# KiCad board oibus-mini-CCC_PANEL.kicad_pcb (continued)
## Nets (continued)
NINA_DTR: U3.16 U3#2.16 U3#3.16 U3#4.16 U3#5.16 U3#6.16 U3#7.16 U3#8.16 U3#9.16 U3#10.16 U3#11.16 U3#12.16 U3#13.16 U3#14.16 U3#15.16 U3#16.16 U3#17.16 U3#18.16 U3#19.16 U3#20.16 U3#21.16 U3#22.16 U3#23.16 U3#24.16 U3#25.16 U3#26.16 U3#27.16 U3#28.16 U3#29.16 U3#30.16 U3#31.16 U3#32.16 U8.14 U8#2.14 U8#3.14 U8#4.14 U8#5.14 U8#6.14 U8#7.14 U8#8.14 U8#9.14 U8#10.14 U8#11.14 U8#12.14 U8#13.14 U8#14.14 U8#15.14 U8#16.14 U8#17.14 U8#18.14 U8#19.14 U8#20.14 U8#21.14 U8#22.14 U8#23.14 U8#24.14 U8#25.14 U8#26.14 U8#27.14 U8#28.14 U8#29.14 U8#30.14 U8#31.14 U8#32.14
NINA_RTS: U3.20 U3#2.20 U3#3.20 U3#4.20 U3#5.20 U3#6.20 U3#7.20 U3#8.20 U3#9.20 U3#10.20 U3#11.20 U3#12.20 U3#13.20 U3#14.20 U3#15.20 U3#16.20 U3#17.20 U3#18.20 U3#19.20 U3#20.20 U3#21.20 U3#22.20 U3#23.20 U3#24.20 U3#25.20 U3#26.20 U3#27.20 U3#28.20 U3#29.20 U3#30.20 U3#31.20 U3#32.20 U8.10 U8#2.10 U8#3.10 U8#4.10 U8#5.10 U8#6.10 U8#7.10 U8#8.10 U8#9.10 U8#10.10 U8#11.10 U8#12.10 U8#13.10 U8#14.10 U8#15.10 U8#16.10 U8#17.10 U8#18.10 U8#19.10 U8#20.10 U8#21.10 U8#22.10 U8#23.10 U8#24.10 U8#25.10 U8#26.10 U8#27.10 U8#28.10 U8#29.10 U8#30.10 U8#31.10 U8#32.10
NINA_RX: U3.23 U3#2.23 U3#3.23 U3#4.23 U3#5.23 U3#6.23 U3#7.23 U3#8.23 U3#9.23 U3#10.23 U3#11.23 U3#12.23 U3#13.23 U3#14.23 U3#15.23 U3#16.23 U3#17.23 U3#18.23 U3#19.23 U3#20.23 U3#21.23 U3#22.23 U3#23.23 U3#24.23 U3#25.23 U3#26.23 U3#27.23 U3#28.23 U3#29.23 U3#30.23 U3#31.23 U3#32.23 U8.12 U8#2.12 U8#3.12 U8#4.12 U8#5.12 U8#6.12 U8#7.12 U8#8.12 U8#9.12 U8#10.12 U8#11.12 U8#12.12 U8#13.12 U8#14.12 U8#15.12 U8#16.12 U8#17.12 U8#18.12 U8#19.12 U8#20.12 U8#21.12 U8#22.12 U8#23.12 U8#24.12 U8#25.12 U8#26.12 U8#27.12 U8#28.12 U8#29.12 U8#30.12 U8#31.12 U8#32.12
NINA_TX: U3.22 U3#2.22 U3#3.22 U3#4.22 U3#5.22 U3#6.22 U3#7.22 U3#8.22 U3#9.22 U3#10.22 U3#11.22 U3#12.22 U3#13.22 U3#14.22 U3#15.22 U3#16.22 U3#17.22 U3#18.22 U3#19.22 U3#20.22 U3#21.22 U3#22.22 U3#23.22 U3#24.22 U3#25.22 U3#26.22 U3#27.22 U3#28.22 U3#29.22 U3#30.22 U3#31.22 U3#32.22 U8.13 U8#2.13 U8#3.13 U8#4.13 U8#5.13 U8#6.13 U8#7.13 U8#8.13 U8#9.13 U8#10.13 U8#11.13 U8#12.13 U8#13.13 U8#14.13 U8#15.13 U8#16.13 U8#17.13 U8#18.13 U8#19.13 U8#20.13 U8#21.13 U8#22.13 U8#23.13 U8#24.13 U8#25.13 U8#26.13 U8#27.13 U8#28.13 U8#29.13 U8#30.13 U8#31.13 U8#32.13
SPS_RX: J1.1 J1#2.1 J1#3.1 J1#4.1 J1#5.1 J1#6.1 J1#7.1 J1#8.1 J1#9.1 J1#10.1 J1#11.1 J1#12.1 J1#13.1 J1#14.1 J1#15.1 J1#16.1 J1#17.1 J1#18.1 J1#19.1 J1#20.1 J1#21.1 J1#22.1 J1#23.1 J1#24.1 J1#25.1 J1#26.1 J1#27.1 J1#28.1 J1#29.1 J1#30.1 J1#31.1 J1#32.1 R24.2 R24#2.2 R24#3.2 R24#4.2 R24#5.2 R24#6.2 R24#7.2 R24#8.2 R24#9.2 R24#10.2 R24#11.2 R24#12.2 R24#13.2 R24#14.2 R24#15.2 R24#16.2 R24#17.2 R24#18.2 R24#19.2 R24#20.2 R24#21.2 R24#22.2 R24#23.2 R24#24.2 R24#25.2 R24#26.2 R24#27.2 R24#28.2 R24#29.2 R24#30.2 R24#31.2 R24#32.2 U8.30 U8#2.30 U8#3.30 U8#4.30 U8#5.30 U8#6.30 U8#7.30 U8#8.30 U8#9.30 U8#10.30 U8#11.30 U8#12.30 U8#13.30 U8#14.30 U8#15.30 U8#16.30 U8#17.30 U8#18.30 U8#19.30 U8#20.30 U8#21.30 U8#22.30 U8#23.30 U8#24.30 U8#25.30 U8#26.30 U8#27.30 U8#28.30 U8#29.30 U8#30.30 U8#31.30 U8#32.30
SPS_TX: R22.2 R22#2.2 R22#3.2 R22#4.2 R22#5.2 R22#6.2 R22#7.2 R22#8.2 R22#9.2 R22#10.2 R22#11.2 R22#12.2 R22#13.2 R22#14.2 R22#15.2 R22#16.2 R22#17.2 R22#18.2 R22#19.2 R22#20.2 R22#21.2 R22#22.2 R22#23.2 R22#24.2 R22#25.2 R22#26.2 R22#27.2 R22#28.2 R22#29.2 R22#30.2 R22#31.2 R22#32.2 R23.1 R23#2.1 R23#3.1 R23#4.1 R23#5.1 R23#6.1 R23#7.1 R23#8.1 R23#9.1 R23#10.1 R23#11.1 R23#12.1 R23#13.1 R23#14.1 R23#15.1 R23#16.1 R23#17.1 R23#18.1 R23#19.1 R23#20.1 R23#21.1 R23#22.1 R23#23.1 R23#24.1 R23#25.1 R23#26.1 R23#27.1 R23#28.1 R23#29.1 R23#30.1 R23#31.1 R23#32.1 U8.31 U8#2.31 U8#3.31 U8#4.31 U8#5.31 U8#6.31 U8#7.31 U8#8.31 U8#9.31 U8#10.31 U8#11.31 U8#12.31 U8#13.31 U8#14.31 U8#15.31 U8#16.31 U8#17.31 U8#18.31 U8#19.31 U8#20.31 U8#21.31 U8#22.31 U8#23.31 U8#24.31 U8#25.31 U8#26.31 U8#27.31 U8#28.31 U8#29.31 U8#30.31 U8#31.31 U8#32.31
Net-(BT1-Pad2): BT1.2 BT1#2.2 BT1#3.2 BT1#4.2 BT1#5.2 BT1#6.2 BT1#7.2 BT1#8.2 BT1#9.2 BT1#10.2 BT1#11.2 BT1#12.2 BT1#13.2 BT1#14.2 BT1#15.2 BT1#16.2 BT1#17.2 BT1#18.2 BT1#19.2 BT1#20.2 BT1#21.2 BT1#22.2 BT1#23.2 BT1#24.2 BT1#25.2 BT1#26.2 BT1#27.2 BT1#28.2 BT1#29.2 BT1#30.2 BT1#31.2 BT1#32.2 C24.1 C24#2.1 C24#3.1 C24#4.1 C24#5.1 C24#6.1 C24#7.1 C24#8.1 C24#9.1 C24#10.1 C24#11.1 C24#12.1 C24#13.1 C24#14.1 C24#15.1 C24#16.1 C24#17.1 C24#18.1 C24#19.1 C24#20.1 C24#21.1 C24#22.1 C24#23.1 C24#24.1 C24#25.1 C24#26.1 C24#27.1 C24#28.1 C24#29.1 C24#30.1 C24#31.1 C24#32.1 Q2.2 Q2#2.2 Q2#3.2 Q2#4.2 Q2#5.2 Q2#6.2 Q2#7.2 Q2#8.2 Q2#9.2 Q2#10.2 Q2#11.2 Q2#12.2 Q2#13.2 Q2#14.2 Q2#15.2 Q2#16.2 Q2#17.2 Q2#18.2 Q2#19.2 Q2#20.2 Q2#21.2 Q2#22.2 Q2#23.2 Q2#24.2 Q2#25.2 Q2#26.2 Q2#27.2 Q2#28.2 Q2#29.2 Q2#30.2 Q2#31.2 Q2#32.2 U9.6 U9#2.6 U9#3.6 U9#4.6 U9#5.6 U9#6.6 U9#7.6 U9#8.6 U9#9.6 U9#10.6 U9#11.6 U9#12.6 U9#13.6 U9#14.6 U9#15.6 U9#16.6 U9#17.6 U9#18.6 U9#19.6 U9#20.6 U9#21.6 U9#22.6 U9#23.6 U9#24.6 U9#25.6 U9#26.6 U9#27.6 U9#28.6 U9#29.6 U9#30.6 U9#31.6 U9#32.6
Net-(C6-Pad2): C6.2 C6#2.2 C6#3.2 C6#4.2 C6#5.2 C6#6.2 C6#7.2 C6#8.2 C6#9.2 C6#10.2 C6#11.2 C6#12.2 C6#13.2 C6#14.2 C6#15.2 C6#16.2 C6#17.2 C6#18.2 C6#19.2 C6#20.2 C6#21.2 C6#22.2 C6#23.2 C6#24.2 C6#25.2 C6#26.2 C6#27.2 C6#28.2 C6#29.2 C6#30.2 C6#31.2 C6#32.2 R19.2 R19#2.2 R19#3.2 R19#4.2 R19#5.2 R19#6.2 R19#7.2 R19#8.2 R19#9.2 R19#10.2 R19#11.2 R19#12.2 R19#13.2 R19#14.2 R19#15.2 R19#16.2 R19#17.2 R19#18.2 R19#19.2 R19#20.2 R19#21.2 R19#22.2 R19#23.2 R19#24.2 R19#25.2 R19#26.2 R19#27.2 R19#28.2 R19#29.2 R19#30.2 R19#31.2 R19#32.2 R20.1 R20#2.1 R20#3.1 R20#4.1 R20#5.1 R20#6.1 R20#7.1 R20#8.1 R20#9.1 R20#10.1 R20#11.1 R20#12.1 R20#13.1 R20#14.1 R20#15.1 R20#16.1 R20#17.1 R20#18.1 R20#19.1 R20#20.1 R20#21.1 R20#22.1 R20#23.1 R20#24.1 R20#25.1 R20#26.1 R20#27.1 R20#28.1 R20#29.1 R20#30.1 R20#31.1 R20#32.1
Net-(C16-Pad1): C16.1 C16#2.1 C16#3.1 C16#4.1 C16#5.1 C16#6.1 C16#7.1 C16#8.1 C16#9.1 C16#10.1 C16#11.1 C16#12.1 C16#13.1 C16#14.1 C16#15.1 C16#16.1 C16#17.1 C16#18.1 C16#19.1 C16#20.1 C16#21.1 C16#22.1 C16#23.1 C16#24.1 C16#25.1 C16#26.1 C16#27.1 C16#28.1 C16#29.1 C16#30.1 C16#31.1 C16#32.1 U8.5 U8#2.5 U8#3.5 U8#4.5 U8#5.5 U8#6.5 U8#7.5 U8#8.5 U8#9.5 U8#10.5 U8#11.5 U8#12.5 U8#13.5 U8#14.5 U8#15.5 U8#16.5 U8#17.5 U8#18.5 U8#19.5 U8#20.5 U8#21.5 U8#22.5 U8#23.5 U8#24.5 U8#25.5 U8#26.5 U8#27.5 U8#28.5 U8#29.5 U8#30.5 U8#31.5 U8#32.5 Y1.1 Y1#2.1 Y1#3.1 Y1#4.1 Y1#5.1 Y1#6.1 Y1#7.1 Y1#8.1 Y1#9.1 Y1#10.1 Y1#11.1 Y1#12.1 Y1#13.1 Y1#14.1 Y1#15.1 Y1#16.1 Y1#17.1 Y1#18.1 Y1#19.1 Y1#20.1 Y1#21.1 Y1#22.1 Y1#23.1 Y1#24.1 Y1#25.1 Y1#26.1 Y1#27.1 Y1#28.1 Y1#29.1 Y1#30.1 Y1#31.1 Y1#32.1
Net-(C17-Pad2): C17.2 C17#2.2 C17#3.2 C17#4.2 C17#5.2 C17#6.2 C17#7.2 C17#8.2 C17#9.2 C17#10.2 C17#11.2 C17#12.2 C17#13.2 C17#14.2 C17#15.2 C17#16.2 C17#17.2 C17#18.2 C17#19.2 C17#20.2 C17#21.2 C17#22.2 C17#23.2 C17#24.2 C17#25.2 C17#26.2 C17#27.2 C17#28.2 C17#29.2 C17#30.2 C17#31.2 C17#32.2 U8.6 U8#2.6 U8#3.6 U8#4.6 U8#5.6 U8#6.6 U8#7.6 U8#8.6 U8#9.6 U8#10.6 U8#11.6 U8#12.6 U8#13.6 U8#14.6 U8#15.6 U8#16.6 U8#17.6 U8#18.6 U8#19.6 U8#20.6 U8#21.6 U8#22.6 U8#23.6 U8#24.6 U8#25.6 U8#26.6 U8#27.6 U8#28.6 U8#29.6 U8#30.6 U8#31.6 U8#32.6 Y1.3 Y1#2.3 Y1#3.3 Y1#4.3 Y1#5.3 Y1#6.3 Y1#7.3 Y1#8.3 Y1#9.3 Y1#10.3 Y1#11.3 Y1#12.3 Y1#13.3 Y1#14.3 Y1#15.3 Y1#16.3 Y1#17.3 Y1#18.3 Y1#19.3 Y1#20.3 Y1#21.3 Y1#22.3 Y1#23.3 Y1#24.3 Y1#25.3 Y1#26.3 Y1#27.3 Y1#28.3 Y1#29.3 Y1#30.3 Y1#31.3 Y1#32.3
Net-(C22-Pad2): C22.2 C22#2.2 C22#3.2 C22#4.2 C22#5.2 C22#6.2 C22#7.2 C22#8.2 C22#9.2 C22#10.2 C22#11.2 C22#12.2 C22#13.2 C22#14.2 C22#15.2 C22#16.2 C22#17.2 C22#18.2 C22#19.2 C22#20.2 C22#21.2 C22#22.2 C22#23.2 C22#24.2 C22#25.2 C22#26.2 C22#27.2 C22#28.2 C22#29.2 C22#30.2 C22#31.2 C22#32.2 C23.2 C23#2.2 C23#3.2 C23#4.2 C23#5.2 C23#6.2 C23#7.2 C23#8.2 C23#9.2 C23#10.2 C23#11.2 C23#12.2 C23#13.2 C23#14.2 C23#15.2 C23#16.2 C23#17.2 C23#18.2 C23#19.2 C23#20.2 C23#21.2 C23#22.2 C23#23.2 C23#24.2 C23#25.2 C23#26.2 C23#27.2 C23#28.2 C23#29.2 C23#30.2 C23#31.2 C23#32.2 L2.2 L2#2.2 L2#3.2 L2#4.2 L2#5.2 L2#6.2 L2#7.2 L2#8.2 L2#9.2 L2#10.2 L2#11.2 L2#12.2 L2#13.2 L2#14.2 L2#15.2 L2#16.2 L2#17.2 L2#18.2 L2#19.2 L2#20.2 L2#21.2 L2#22.2 L2#23.2 L2#24.2 L2#25.2 L2#26.2 L2#27.2 L2#28.2 L2#29.2 L2#30.2 L2#31.2 L2#32.2 U8.9 U8#2.9 U8#3.9 U8#4.9 U8#5.9 U8#6.9 U8#7.9 U8#8.9 U8#9.9 U8#10.9 U8#11.9 U8#12.9 U8#13.9 U8#14.9 U8#15.9 U8#16.9 U8#17.9 U8#18.9 U8#19.9 U8#20.9 U8#21.9 U8#22.9 U8#23.9 U8#24.9 U8#25.9 U8#26.9 U8#27.9 U8#28.9 U8#29.9 U8#30.9 U8#31.9 U8#32.9
Net-(C25-Pad1): C25.1 C25#2.1 C25#3.1 C25#4.1 C25#5.1 C25#6.1 C25#7.1 C25#8.1 C25#9.1 C25#10.1 C25#11.1 C25#12.1 C25#13.1 C25#14.1 C25#15.1 C25#16.1 C25#17.1 C25#18.1 C25#19.1 C25#20.1 C25#21.1 C25#22.1 C25#23.1 C25#24.1 C25#25.1 C25#26.1 C25#27.1 C25#28.1 C25#29.1 C25#30.1 C25#31.1 C25#32.1 U8.3 U8#2.3 U8#3.3 U8#4.3 U8#5.3 U8#6.3 U8#7.3 U8#8.3 U8#9.3 U8#10.3 U8#11.3 U8#12.3 U8#13.3 U8#14.3 U8#15.3 U8#16.3 U8#17.3 U8#18.3 U8#19.3 U8#20.3 U8#21.3 U8#22.3 U8#23.3 U8#24.3 U8#25.3 U8#26.3 U8#27.3 U8#28.3 U8#29.3 U8#30.3 U8#31.3 U8#32.3 Y2.1 Y2#2.1 Y2#3.1 Y2#4.1 Y2#5.1 Y2#6.1 Y2#7.1 Y2#8.1 Y2#9.1 Y2#10.1 Y2#11.1 Y2#12.1 Y2#13.1 Y2#14.1 Y2#15.1 Y2#16.1 Y2#17.1 Y2#18.1 Y2#19.1 Y2#20.1 Y2#21.1 Y2#22.1 Y2#23.1 Y2#24.1 Y2#25.1 Y2#26.1 Y2#27.1 Y2#28.1 Y2#29.1 Y2#30.1 Y2#31.1 Y2#32.1
Net-(C26-Pad2): C26.2 C26#2.2 C26#3.2 C26#4.2 C26#5.2 C26#6.2 C26#7.2 C26#8.2 C26#9.2 C26#10.2 C26#11.2 C26#12.2 C26#13.2 C26#14.2 C26#15.2 C26#16.2 C26#17.2 C26#18.2 C26#19.2 C26#20.2 C26#21.2 C26#22.2 C26#23.2 C26#24.2 C26#25.2 C26#26.2 C26#27.2 C26#28.2 C26#29.2 C26#30.2 C26#31.2 C26#32.2 U8.4 U8#2.4 U8#3.4 U8#4.4 U8#5.4 U8#6.4 U8#7.4 U8#8.4 U8#9.4 U8#10.4 U8#11.4 U8#12.4 U8#13.4 U8#14.4 U8#15.4 U8#16.4 U8#17.4 U8#18.4 U8#19.4 U8#20.4 U8#21.4 U8#22.4 U8#23.4 U8#24.4 U8#25.4 U8#26.4 U8#27.4 U8#28.4 U8#29.4 U8#30.4 U8#31.4 U8#32.4 Y2.2 Y2#2.2 Y2#3.2 Y2#4.2 Y2#5.2 Y2#6.2 Y2#7.2 Y2#8.2 Y2#9.2 Y2#10.2 Y2#11.2 Y2#12.2 Y2#13.2 Y2#14.2 Y2#15.2 Y2#16.2 Y2#17.2 Y2#18.2 Y2#19.2 Y2#20.2 Y2#21.2 Y2#22.2 Y2#23.2 Y2#24.2 Y2#25.2 Y2#26.2 Y2#27.2 Y2#28.2 Y2#29.2 Y2#30.2 Y2#31.2 Y2#32.2
Net-(D3-Pad1): D3.1 D3#2.1 D3#3.1 D3#4.1 D3#5.1 D3#6.1 D3#7.1 D3#8.1 D3#9.1 D3#10.1 D3#11.1 D3#12.1 D3#13.1 D3#14.1 D3#15.1 D3#16.1 D3#17.1 D3#18.1 D3#19.1 D3#20.1 D3#21.1 D3#22.1 D3#23.1 D3#24.1 D3#25.1 D3#26.1 D3#27.1 D3#28.1 D3#29.1 D3#30.1 D3#31.1 D3#32.1 U4.1 U4#2.1 U4#3.1 U4#4.1 U4#5.1 U4#6.1 U4#7.1 U4#8.1 U4#9.1 U4#10.1 U4#11.1 U4#12.1 U4#13.1 U4#14.1 U4#15.1 U4#16.1 U4#17.1 U4#18.1 U4#19.1 U4#20.1 U4#21.1 U4#22.1 U4#23.1 U4#24.1 U4#25.1 U4#26.1 U4#27.1 U4#28.1 U4#29.1 U4#30.1 U4#31.1 U4#32.1
Net-(D3-Pad2): D3.2 D3#2.2 D3#3.2 D3#4.2 D3#5.2 D3#6.2 D3#7.2 D3#8.2 D3#9.2 D3#10.2 D3#11.2 D3#12.2 D3#13.2 D3#14.2 D3#15.2 D3#16.2 D3#17.2 D3#18.2 D3#19.2 D3#20.2 D3#21.2 D3#22.2 D3#23.2 D3#24.2 D3#25.2 D3#26.2 D3#27.2 D3#28.2 D3#29.2 D3#30.2 D3#31.2 D3#32.2 R3.2 R3#2.2 R3#3.2 R3#4.2 R3#5.2 R3#6.2 R3#7.2 R3#8.2 R3#9.2 R3#10.2 R3#11.2 R3#12.2 R3#13.2 R3#14.2 R3#15.2 R3#16.2 R3#17.2 R3#18.2 R3#19.2 R3#20.2 R3#21.2 R3#22.2 R3#23.2 R3#24.2 R3#25.2 R3#26.2 R3#27.2 R3#28.2 R3#29.2 R3#30.2 R3#31.2 R3#32.2
Net-(D4-Pad1): D4.1 D4#2.1 D4#3.1 D4#4.1 D4#5.1 D4#6.1 D4#7.1 D4#8.1 D4#9.1 D4#10.1 D4#11.1 D4#12.1 D4#13.1 D4#14.1 D4#15.1 D4#16.1 D4#17.1 D4#18.1 D4#19.1 D4#20.1 D4#21.1 D4#22.1 D4#23.1 D4#24.1 D4#25.1 D4#26.1 D4#27.1 D4#28.1 D4#29.1 D4#30.1 D4#31.1 D4#32.1 R8.1 R8#2.1 R8#3.1 R8#4.1 R8#5.1 R8#6.1 R8#7.1 R8#8.1 R8#9.1 R8#10.1 R8#11.1 R8#12.1 R8#13.1 R8#14.1 R8#15.1 R8#16.1 R8#17.1 R8#18.1 R8#19.1 R8#20.1 R8#21.1 R8#22.1 R8#23.1 R8#24.1 R8#25.1 R8#26.1 R8#27.1 R8#28.1 R8#29.1 R8#30.1 R8#31.1 R8#32.1
Net-(D5-Pad2): D5.2 D5#2.2 D5#3.2 D5#4.2 D5#5.2 D5#6.2 D5#7.2 D5#8.2 D5#9.2 D5#10.2 D5#11.2 D5#12.2 D5#13.2 D5#14.2 D5#15.2 D5#16.2 D5#17.2 D5#18.2 D5#19.2 D5#20.2 D5#21.2 D5#22.2 D5#23.2 D5#24.2 D5#25.2 D5#26.2 D5#27.2 D5#28.2 D5#29.2 D5#30.2 D5#31.2 D5#32.2 R9.2 R9#2.2 R9#3.2 R9#4.2 R9#5.2 R9#6.2 R9#7.2 R9#8.2 R9#9.2 R9#10.2 R9#11.2 R9#12.2 R9#13.2 R9#14.2 R9#15.2 R9#16.2 R9#17.2 R9#18.2 R9#19.2 R9#20.2 R9#21.2 R9#22.2 R9#23.2 R9#24.2 R9#25.2 R9#26.2 R9#27.2 R9#28.2 R9#29.2 R9#30.2 R9#31.2 R9#32.2
Net-(D7-Pad1): D7.1 D7#2.1 D7#3.1 D7#4.1 D7#5.1 D7#6.1 D7#7.1 D7#8.1 D7#9.1 D7#10.1 D7#11.1 D7#12.1 D7#13.1 D7#14.1 D7#15.1 D7#16.1 D7#17.1 D7#18.1 D7#19.1 D7#20.1 D7#21.1 D7#22.1 D7#23.1 D7#24.1 D7#25.1 D7#26.1 D7#27.1 D7#28.1 D7#29.1 D7#30.1 D7#31.1 D7#32.1 R17.2 R17#2.2 R17#3.2 R17#4.2 R17#5.2 R17#6.2 R17#7.2 R17#8.2 R17#9.2 R17#10.2 R17#11.2 R17#12.2 R17#13.2 R17#14.2 R17#15.2 R17#16.2 R17#17.2 R17#18.2 R17#19.2 R17#20.2 R17#21.2 R17#22.2 R17#23.2 R17#24.2 R17#25.2 R17#26.2 R17#27.2 R17#28.2 R17#29.2 R17#30.2 R17#31.2 R17#32.2
Net-(D7-Pad2): D7.2 D7#2.2 D7#3.2 D7#4.2 D7#5.2 D7#6.2 D7#7.2 D7#8.2 D7#9.2 D7#10.2 D7#11.2 D7#12.2 D7#13.2 D7#14.2 D7#15.2 D7#16.2 D7#17.2 D7#18.2 D7#19.2 D7#20.2 D7#21.2 D7#22.2 D7#23.2 D7#24.2 D7#25.2 D7#26.2 D7#27.2 D7#28.2 D7#29.2 D7#30.2 D7#31.2 D7#32.2 R16.2 R16#2.2 R16#3.2 R16#4.2 R16#5.2 R16#6.2 R16#7.2 R16#8.2 R16#9.2 R16#10.2 R16#11.2 R16#12.2 R16#13.2 R16#14.2 R16#15.2 R16#16.2 R16#17.2 R16#18.2 R16#19.2 R16#20.2 R16#21.2 R16#22.2 R16#23.2 R16#24.2 R16#25.2 R16#26.2 R16#27.2 R16#28.2 R16#29.2 R16#30.2 R16#31.2 R16#32.2
Net-(D7-Pad3): D7.3 D7#2.3 D7#3.3 D7#4.3 D7#5.3 D7#6.3 D7#7.3 D7#8.3 D7#9.3 D7#10.3 D7#11.3 D7#12.3 D7#13.3 D7#14.3 D7#15.3 D7#16.3 D7#17.3 D7#18.3 D7#19.3 D7#20.3 D7#21.3 D7#22.3 D7#23.3 D7#24.3 D7#25.3 D7#26.3 D7#27.3 D7#28.3 D7#29.3 D7#30.3 D7#31.3 D7#32.3 R15.2 R15#2.2 R15#3.2 R15#4.2 R15#5.2 R15#6.2 R15#7.2 R15#8.2 R15#9.2 R15#10.2 R15#11.2 R15#12.2 R15#13.2 R15#14.2 R15#15.2 R15#16.2 R15#17.2 R15#18.2 R15#19.2 R15#20.2 R15#21.2 R15#22.2 R15#23.2 R15#24.2 R15#25.2 R15#26.2 R15#27.2 R15#28.2 R15#29.2 R15#30.2 R15#31.2 R15#32.2
Net-(FB1-Pad2): FB1.2 FB1#2.2 FB1#3.2 FB1#4.2 FB1#5.2 FB1#6.2 FB1#7.2 FB1#8.2 FB1#9.2 FB1#10.2 FB1#11.2 FB1#12.2 FB1#13.2 FB1#14.2 FB1#15.2 FB1#16.2 FB1#17.2 FB1#18.2 FB1#19.2 FB1#20.2 FB1#21.2 FB1#22.2 FB1#23.2 FB1#24.2 FB1#25.2 FB1#26.2 FB1#27.2 FB1#28.2 FB1#29.2 FB1#30.2 FB1#31.2 FB1#32.2 U2.14 U2#2.14 U2#3.14 U2#4.14 U2#5.14 U2#6.14 U2#7.14 U2#8.14 U2#9.14 U2#10.14 U2#11.14 U2#12.14 U2#13.14 U2#14.14 U2#15.14 U2#16.14 U2#17.14 U2#18.14 U2#19.14 U2#20.14 U2#21.14 U2#22.14 U2#23.14 U2#24.14 U2#25.14 U2#26.14 U2#27.14 U2#28.14 U2#29.14 U2#30.14 U2#31.14 U2#32.14
Net-(FB2-Pad2): FB2.2 FB2#2.2 FB2#3.2 FB2#4.2 FB2#5.2 FB2#6.2 FB2#7.2 FB2#8.2 FB2#9.2 FB2#10.2 FB2#11.2 FB2#12.2 FB2#13.2 FB2#14.2 FB2#15.2 FB2#16.2 FB2#17.2 FB2#18.2 FB2#19.2 FB2#20.2 FB2#21.2 FB2#22.2 FB2#23.2 FB2#24.2 FB2#25.2 FB2#26.2 FB2#27.2 FB2#28.2 FB2#29.2 FB2#30.2 FB2#31.2 FB2#32.2 U2.13 U2#2.13 U2#3.13 U2#4.13 U2#5.13 U2#6.13 U2#7.13 U2#8.13 U2#9.13 U2#10.13 U2#11.13 U2#12.13 U2#13.13 U2#14.13 U2#15.13 U2#16.13 U2#17.13 U2#18.13 U2#19.13 U2#20.13 U2#21.13 U2#22.13 U2#23.13 U2#24.13 U2#25.13 U2#26.13 U2#27.13 U2#28.13 U2#29.13 U2#30.13 U2#31.13 U2#32.13
Net-(J3-Pad1): J3.1 J3#2.1 J3#3.1 J3#4.1 J3#5.1 J3#6.1 J3#7.1 J3#8.1 J3#9.1 J3#10.1 J3#11.1 J3#12.1 J3#13.1 J3#14.1 J3#15.1 J3#16.1 J3#17.1 J3#18.1 J3#19.1 J3#20.1 J3#21.1 J3#22.1 J3#23.1 J3#24.1 J3#25.1 J3#26.1 J3#27.1 J3#28.1 J3#29.1 J3#30.1 J3#31.1 J3#32.1 R21.1 R21#2.1 R21#3.1 R21#4.1 R21#5.1 R21#6.1 R21#7.1 R21#8.1 R21#9.1 R21#10.1 R21#11.1 R21#12.1 R21#13.1 R21#14.1 R21#15.1 R21#16.1 R21#17.1 R21#18.1 R21#19.1 R21#20.1 R21#21.1 R21#22.1 R21#23.1 R21#24.1 R21#25.1 R21#26.1 R21#27.1 R21#28.1 R21#29.1 R21#30.1 R21#31.1 R21#32.1
Net-(J4-Pad1): NFC.1 NFC#2.1 NFC#3.1 NFC#4.1 NFC#5.1 NFC#6.1 NFC#7.1 NFC#8.1 NFC#9.1 NFC#10.1 NFC#11.1 NFC#12.1 NFC#13.1 NFC#14.1 NFC#15.1 NFC#16.1 NFC#17.1 NFC#18.1 NFC#19.1 NFC#20.1 NFC#21.1 NFC#22.1 NFC#23.1 NFC#24.1 NFC#25.1 NFC#26.1 NFC#27.1 NFC#28.1 NFC#29.1 NFC#30.1 NFC#31.1 NFC#32.1 U3.29 U3#2.29 U3#3.29 U3#4.29 U3#5.29 U3#6.29 U3#7.29 U3#8.29 U3#9.29 U3#10.29 U3#11.29 U3#12.29 U3#13.29 U3#14.29 U3#15.29 U3#16.29 U3#17.29 U3#18.29 U3#19.29 U3#20.29 U3#21.29 U3#22.29 U3#23.29 U3#24.29 U3#25.29 U3#26.29 U3#27.29 U3#28.29 U3#29.29 U3#30.29 U3#31.29 U3#32.29
Net-(J4-Pad2): NFC.2 NFC#2.2 NFC#3.2 NFC#4.2 NFC#5.2 NFC#6.2 NFC#7.2 NFC#8.2 NFC#9.2 NFC#10.2 NFC#11.2 NFC#12.2 NFC#13.2 NFC#14.2 NFC#15.2 NFC#16.2 NFC#17.2 NFC#18.2 NFC#19.2 NFC#20.2 NFC#21.2 NFC#22.2 NFC#23.2 NFC#24.2 NFC#25.2 NFC#26.2 NFC#27.2 NFC#28.2 NFC#29.2 NFC#30.2 NFC#31.2 NFC#32.2 U3.28 U3#2.28 U3#3.28 U3#4.28 U3#5.28 U3#6.28 U3#7.28 U3#8.28 U3#9.28 U3#10.28 U3#11.28 U3#12.28 U3#13.28 U3#14.28 U3#15.28 U3#16.28 U3#17.28 U3#18.28 U3#19.28 U3#20.28 U3#21.28 U3#22.28 U3#23.28 U3#24.28 U3#25.28 U3#26.28 U3#27.28 U3#28.28 U3#29.28 U3#30.28 U3#31.28 U3#32.28
Net-(L1-Pad2): L1.2 L1#2.2 L1#3.2 L1#4.2 L1#5.2 L1#6.2 L1#7.2 L1#8.2 L1#9.2 L1#10.2 L1#11.2 L1#12.2 L1#13.2 L1#14.2 L1#15.2 L1#16.2 L1#17.2 L1#18.2 L1#19.2 L1#20.2 L1#21.2 L1#22.2 L1#23.2 L1#24.2 L1#25.2 L1#26.2 L1#27.2 L1#28.2 L1#29.2 L1#30.2 L1#31.2 L1#32.2 U5.1 U5#2.1 U5#3.1 U5#4.1 U5#5.1 U5#6.1 U5#7.1 U5#8.1 U5#9.1 U5#10.1 U5#11.1 U5#12.1 U5#13.1 U5#14.1 U5#15.1 U5#16.1 U5#17.1 U5#18.1 U5#19.1 U5#20.1 U5#21.1 U5#22.1 U5#23.1 U5#24.1 U5#25.1 U5#26.1 U5#27.1 U5#28.1 U5#29.1 U5#30.1 U5#31.1 U5#32.1
Net-(Q2-Pad1): Q2.1 Q2#2.1 Q2#3.1 Q2#4.1 Q2#5.1 Q2#6.1 Q2#7.1 Q2#8.1 Q2#9.1 Q2#10.1 Q2#11.1 Q2#12.1 Q2#13.1 Q2#14.1 Q2#15.1 Q2#16.1 Q2#17.1 Q2#18.1 Q2#19.1 Q2#20.1 Q2#21.1 Q2#22.1 Q2#23.1 Q2#24.1 Q2#25.1 Q2#26.1 Q2#27.1 Q2#28.1 Q2#29.1 Q2#30.1 Q2#31.1 Q2#32.1 U9.1 U9#2.1 U9#3.1 U9#4.1 U9#5.1 U9#6.1 U9#7.1 U9#8.1 U9#9.1 U9#10.1 U9#11.1 U9#12.1 U9#13.1 U9#14.1 U9#15.1 U9#16.1 U9#17.1 U9#18.1 U9#19.1 U9#20.1 U9#21.1 U9#22.1 U9#23.1 U9#24.1 U9#25.1 U9#26.1 U9#27.1 U9#28.1 U9#29.1 U9#30.1 U9#31.1 U9#32.1
Net-(Q2-Pad3): Q2.3 Q2#2.3 Q2#3.3 Q2#4.3 Q2#5.3 Q2#6.3 Q2#7.3 Q2#8.3 Q2#9.3 Q2#10.3 Q2#11.3 Q2#12.3 Q2#13.3 Q2#14.3 Q2#15.3 Q2#16.3 Q2#17.3 Q2#18.3 Q2#19.3 Q2#20.3 Q2#21.3 Q2#22.3 Q2#23.3 Q2#24.3 Q2#25.3 Q2#26.3 Q2#27.3 Q2#28.3 Q2#29.3 Q2#30.3 Q2#31.3 Q2#32.3 Q3.3 Q3#2.3 Q3#3.3 Q3#4.3 Q3#5.3 Q3#6.3 Q3#7.3 Q3#8.3 Q3#9.3 Q3#10.3 Q3#11.3 Q3#12.3 Q3#13.3 Q3#14.3 Q3#15.3 Q3#16.3 Q3#17.3 Q3#18.3 Q3#19.3 Q3#20.3 Q3#21.3 Q3#22.3 Q3#23.3 Q3#24.3 Q3#25.3 Q3#26.3 Q3#27.3 Q3#28.3 Q3#29.3 Q3#30.3 Q3#31.3 Q3#32.3
Net-(Q3-Pad1): Q3.1 Q3#2.1 Q3#3.1 Q3#4.1 Q3#5.1 Q3#6.1 Q3#7.1 Q3#8.1 Q3#9.1 Q3#10.1 Q3#11.1 Q3#12.1 Q3#13.1 Q3#14.1 Q3#15.1 Q3#16.1 Q3#17.1 Q3#18.1 Q3#19.1 Q3#20.1 Q3#21.1 Q3#22.1 Q3#23.1 Q3#24.1 Q3#25.1 Q3#26.1 Q3#27.1 Q3#28.1 Q3#29.1 Q3#30.1 Q3#31.1 Q3#32.1 U9.3 U9#2.3 U9#3.3 U9#4.3 U9#5.3 U9#6.3 U9#7.3 U9#8.3 U9#9.3 U9#10.3 U9#11.3 U9#12.3 U9#13.3 U9#14.3 U9#15.3 U9#16.3 U9#17.3 U9#18.3 U9#19.3 U9#20.3 U9#21.3 U9#22.3 U9#23.3 U9#24.3 U9#25.3 U9#26.3 U9#27.3 U9#28.3 U9#29.3 U9#30.3 U9#31.3 U9#32.3
Net-(R2-Pad1): R2.1 R2#2.1 R2#3.1 R2#4.1 R2#5.1 R2#6.1 R2#7.1 R2#8.1 R2#9.1 R2#10.1 R2#11.1 R2#12.1 R2#13.1 R2#14.1 R2#15.1 R2#16.1 R2#17.1 R2#18.1 R2#19.1 R2#20.1 R2#21.1 R2#22.1 R2#23.1 R2#24.1 R2#25.1 R2#26.1 R2#27.1 R2#28.1 R2#29.1 R2#30.1 R2#31.1 R2#32.1 U4.5 U4#2.5 U4#3.5 U4#4.5 U4#5.5 U4#6.5 U4#7.5 U4#8.5 U4#9.5 U4#10.5 U4#11.5 U4#12.5 U4#13.5 U4#14.5 U4#15.5 U4#16.5 U4#17.5 U4#18.5 U4#19.5 U4#20.5 U4#21.5 U4#22.5 U4#23.5 U4#24.5 U4#25.5 U4#26.5 U4#27.5 U4#28.5 U4#29.5 U4#30.5 U4#31.5 U4#32.5
Net-(R4-Pad2): R4.2 R4#2.2 R4#3.2 R4#4.2 R4#5.2 R4#6.2 R4#7.2 R4#8.2 R4#9.2 R4#10.2 R4#11.2 R4#12.2 R4#13.2 R4#14.2 R4#15.2 R4#16.2 R4#17.2 R4#18.2 R4#19.2 R4#20.2 R4#21.2 R4#22.2 R4#23.2 R4#24.2 R4#25.2 R4#26.2 R4#27.2 R4#28.2 R4#29.2 R4#30.2 R4#31.2 R4#32.2 R5.1 R5#2.1 R5#3.1 R5#4.1 R5#5.1 R5#6.1 R5#7.1 R5#8.1 R5#9.1 R5#10.1 R5#11.1 R5#12.1 R5#13.1 R5#14.1 R5#15.1 R5#16.1 R5#17.1 R5#18.1 R5#19.1 R5#20.1 R5#21.1 R5#22.1 R5#23.1 R5#24.1 R5#25.1 R5#26.1 R5#27.1 R5#28.1 R5#29.1 R5#30.1 R5#31.1 R5#32.1 U5.4 U5#2.4 U5#3.4 U5#4.4 U5#5.4 U5#6.4 U5#7.4 U5#8.4 U5#9.4 U5#10.4 U5#11.4 U5#12.4 U5#13.4 U5#14.4 U5#15.4 U5#16.4 U5#17.4 U5#18.4 U5#19.4 U5#20.4 U5#21.4 U5#22.4 U5#23.4 U5#24.4 U5#25.4 U5#26.4 U5#27.4 U5#28.4 U5#29.4 U5#30.4 U5#31.4 U5#32.4
Net-(R13-Pad2): R13.2 R13#2.2 R13#3.2 R13#4.2 R13#5.2 R13#6.2 R13#7.2 R13#8.2 R13#9.2 R13#10.2 R13#11.2 R13#12.2 R13#13.2 R13#14.2 R13#15.2 R13#16.2 R13#17.2 R13#18.2 R13#19.2 R13#20.2 R13#21.2 R13#22.2 R13#23.2 R13#24.2 R13#25.2 R13#26.2 R13#27.2 R13#28.2 R13#29.2 R13#30.2 R13#31.2 R13#32.2 U9.5 U9#2.5 U9#3.5 U9#4.5 U9#5.5 U9#6.5 U9#7.5 U9#8.5 U9#9.5 U9#10.5 U9#11.5 U9#12.5 U9#13.5 U9#14.5 U9#15.5 U9#16.5 U9#17.5 U9#18.5 U9#19.5 U9#20.5 U9#21.5 U9#22.5 U9#23.5 U9#24.5 U9#25.5 U9#26.5 U9#27.5 U9#28.5 U9#29.5 U9#30.5 U9#31.5 U9#32.5
Net-(R14-Pad1): R14.1 R14#2.1 R14#3.1 R14#4.1 R14#5.1 R14#6.1 R14#7.1 R14#8.1 R14#9.1 R14#10.1 R14#11.1 R14#12.1 R14#13.1 R14#14.1 R14#15.1 R14#16.1 R14#17.1 R14#18.1 R14#19.1 R14#20.1 R14#21.1 R14#22.1 R14#23.1 R14#24.1 R14#25.1 R14#26.1 R14#27.1 R14#28.1 R14#29.1 R14#30.1 R14#31.1 R14#32.1 U9.2 U9#2.2 U9#3.2 U9#4.2 U9#5.2 U9#6.2 U9#7.2 U9#8.2 U9#9.2 U9#10.2 U9#11.2 U9#12.2 U9#13.2 U9#14.2 U9#15.2 U9#16.2 U9#17.2 U9#18.2 U9#19.2 U9#20.2 U9#21.2 U9#22.2 U9#23.2 U9#24.2 U9#25.2 U9#26.2 U9#27.2 U9#28.2 U9#29.2 U9#30.2 U9#31.2 U9#32.2

Pads without a net: J2 4; J2#2 4; J2#3 4; J2#4 4; J2#5 4; J2#6 4; J2#7 4; J2#8 4; J2#9 4; J2#10 4; J2#11 4; J2#12 4; J2#13 4; J2#14 4; J2#15 4; J2#16 4; J2#17 4; J2#18 4; J2#19 4; J2#20 4; J2#21 4; J2#22 4; J2#23 4; J2#24 4; J2#25 4; J2#26 4; J2#27 4; J2#28 4; J2#29 4; J2#30 4; J2#31 4; J2#32 4; U1 4; U1#2 4; U1#3 4; U1#4 4; U1#5 4; U1#6 4; U1#7 4; U1#8 4; U1#9 4; U1#10 4; U1#11 4; U1#12 4; U1#13 4; U1#14 4; U1#15 4; U1#16 4; U1#17 4; U1#18 4; U1#19 4; U1#20 4; U1#21 4; U1#22 4; U1#23 4; U1#24 4; U1#25 4; U1#26 4; U1#27 4; U1#28 4; U1#29 4; U1#30 4; U1#31 4; U1#32 4; U2 8 9 12 19; U2#2 8 9 12 19; U2#3 8 9 12 19; U2#4 8 9 12 19; U2#5 8 9 12 19; U2#6 8 9 12 19; U2#7 8 9 12 19; U2#8 8 9 12 19; U2#9 8 9 12 19; U2#10 8 9 12 19; U2#11 8 9 12 19; U2#12 8 9 12 19; U2#13 8 9 12 19; U2#14 8 9 12 19; U2#15 8 9 12 19; U2#16 8 9 12 19; U2#17 8 9 12 19; U2#18 8 9 12 19; U2#19 8 9 12 19; U2#20 8 9 12 19; U2#21 8 9 12 19; U2#22 8 9 12 19; U2#23 8 9 12 19; U2#24 8 9 12 19; U2#25 8 9 12 19; U2#26 8 9 12 19; U2#27 8 9 12 19; U2#28 8 9 12 19; U2#29 8 9 12 19; U2#30 8 9 12 19; U2#31 8 9 12 19; U2#32 8 9 12 19; U3 1 2 3 4 5 7 8 11 13 15 18 24 25 27 31 32 33 34 35 36 37 38 39 40 41 42 43 44 45 46 47 48 49 50 51 52 54 55; U3#2 1 2 3 4 5 7 8 11 13 15 18 24 25 27 31 32 33 34 35 36 37 38 39 40 41 42 43 44 45 46 47 48 49 50 51 52 54 55; U3#3 1 2 3 4 5 7 8 11 13 15 18 24 25 27 31 32 33 34 35 36 37 38 39 40 41 42 43 44 45 46 47 48 49 50 51 52 54 55; U3#4 1 2 3 4 5 7 8 11 13 15 18 24 25 27 31 32 33 34 35 36 37 38 39 40 41 42 43 44 45 46 47 48 49 50 51 52 54 55; U3#5 1 2 3 4 5 7 8 11 13 15 18 24 25 27 31 32 33 34 35 36 37 38 39 40 41 42 43 44 45 46 47 48 49 50 51 52 54 55; U3#6 1 2 3 4 5 7 8 11 13 15 18 24 25 27 31 32 33 34 35 36 37 38 39 40 41 42 43 44 45 46 47 48 49 50 51 52 54 55; U3#7 1 2 3 4 5 7 8 11 13 15 18 24 25 27 31 32 33 34 35 36 37 38 39 40 41 42 43 44 45 46 47 48 49 50 51 52 54 55; U3#8 1 2 3 4 5 7 8 11 13 15 18 24 25 27 31 32 33 34 35 36 37 38 39 40 41 42 43 44 45 46 47 48 49 50 51 52 54 55; U3#9 1 2 3 4 5 7 8 11 13 15 18 24 25 27 31 32 33 34 35 36 37 38 39 40 41 42 43 44 45 46 47 48 49 50 51 52 54 55; U3#10 1 2 3 4 5 7 8 11 13 15 18 24 25 27 31 32 33 34 35 36 37 38 39 40 41 42 43 44 45 46 47 48 49 50 51 52 54 55; U3#11 1 2 3 4 5 7 8 11 13 15 18 24 25 27 31 32 33 34 35 36 37 38 39 40 41 42 43 44 45 46 47 48 49 50 51 52 54 55; U3#12 1 2 3 4 5 7 8 11 13 15 18 24 25 27 31 32 33 34 35 36 37 38 39 40 41 42 43 44 45 46 47 48 49 50 51 52 54 55; U3#13 1 2 3 4 5 7 8 11 13 15 18 24 25 27 31 32 33 34 35 36 37 38 39 40 41 42 43 44 45 46 47 48 49 50 51 52 54 55; U3#14 1 2 3 4 5 7 8 11 13 15 18 24 25 27 31 32 33 34 35 36 37 38 39 40 41 42 43 44 45 46 47 48 49 50 51 52 54 55; U3#15 1 2 3 4 5 7 8 11 13 15 18 24 25 27 31 32 33 34 35 36 37 38 39 40 41 42 43 44 45 46 47 48 49 50 51 52 54 55; U3#16 1 2 3 4 5 7 8 11 13 15 18 24 25 27 31 32 33 34 35 36 37 38 39 40 41 42 43 44 45 46 47 48 49 50 51 52 54 55; U3#17 1 2 3 4 5 7 8 11 13 15 18 24 25 27 31 32 33 34 35 36 37 38 39 40 41 42 43 44 45 46 47 48 49 50 51 52 54 55; U3#18 1 2 3 4 5 7 8 11 13 15 18 24 25 27 31 32 33 34 35 36 37 38 39 40 41 42 43 44 45 46 47 48 49 50 51 52 54 55; U3#19 1 2 3 4 5 7 8 11 13 15 18 24 25 27 31 32 33 34 35 36 37 38 39 40 41 42 43 44 45 46 47 48 49 50 51 52 54 55; U3#20 1 2 3 4 5 7 8 11 13 15 18 24 25 27 31 32 33 34 35 36 37 38 39 40 41 42 43 44 45 46 47 48 49 50 51 52 54 55; U3#21 1 2 3 4 5 7 8 11 13 15 18 24 25 27 31 32 33 34 35 36 37 38 39 40 41 42 43 44 45 46 47 48 49 50 51 52 54 55; U3#22 1 2 3 4 5 7 8 11 13 15 18 24 25 27 31 32 33 34 35 36 37 38 39 40 41 42 43 44 45 46 47 48 49 50 51 52 54 55; U3#23 1 2 3 4 5 7 8 11 13 15 18 24 25 27 31 32 33 34 35 36 37 38 39 40 41 42 43 44 45 46 47 48 49 50 51 52 54 55; U3#24 1 2 3 4 5 7 8 11 13 15 18 24 25 27 31 32 33 34 35 36 37 38 39 40 41 42 43 44 45 46 47 48 49 50 51 52 54 55; U3#25 1 2 3 4 5 7 8 11 13 15 18 24 25 27 31 32 33 34 35 36 37 38 39 40 41 42 43 44 45 46 47 48 49 50 51 52 54 55; U3#26 1 2 3 4 5 7 8 11 13 15 18 24 25 27 31 32 33 34 35 36 37 38 39 40 41 42 43 44 45 46 47 48 49 50 51 52 54 55; U3#27 1 2 3 4 5 7 8 11 13 15 18 24 25 27 31 32 33 34 35 36 37 38 39 40 41 42 43 44 45 46 47 48 49 50 51 52 54 55; U3#28 1 2 3 4 5 7 8 11 13 15 18 24 25 27 31 32 33 34 35 36 37 38 39 40 41 42 43 44 45 46 47 48 49 50 51 52 54 55; U3#29 1 2 3 4 5 7 8 11 13 15 18 24 25 27 31 32 33 34 35 36 37 38 39 40 41 42 43 44 45 46 47 48 49 50 51 52 54 55; U3#30 1 2 3 4 5 7 8 11 13 15 18 24 25 27 31 32 33 34 35 36 37 38 39 40 41 42 43 44 45 46 47 48 49 50 51 52 54 55; U3#31 1 2 3 4 5 7 8 11 13 15 18 24 25 27 31 32 33 34 35 36 37 38 39 40 41 42 43 44 45 46 47 48 49 50 51 52 54 55; U3#32 1 2 3 4 5 7 8 11 13 15 18 24 25 27 31 32 33 34 35 36 37 38 39 40 41 42 43 44 45 46 47 48 49 50 51 52 54 55; U6 3 6; U6#2 3 6; U6#3 3 6; U6#4 3 6; U6#5 3 6; U6#6 3 6; U6#7 3 6; U6#8 3 6; U6#9 3 6; U6#10 3 6; U6#11 3 6; U6#12 3 6; U6#13 3 6; U6#14 3 6; U6#15 3 6; U6#16 3 6; U6#17 3 6; U6#18 3 6; U6#19 3 6; U6#20 3 6; U6#21 3 6; U6#22 3 6; U6#23 3 6; U6#24 3 6; U6#25 3 6; U6#26 3 6; U6#27 3 6; U6#28 3 6; U6#29 3 6; U6#30 3 6; U6#31 3 6; U6#32 3 6; U9 4; U9#2 4; U9#3 4; U9#4 4; U9#5 4; U9#6 4; U9#7 4; U9#8 4; U9#9 4; U9#10 4; U9#11 4; U9#12 4; U9#13 4; U9#14 4; U9#15 4; U9#16 4; U9#17 4; U9#18 4; U9#19 4; U9#20 4; U9#21 4; U9#22 4; U9#23 4; U9#24 4; U9#25 4; U9#26 4; U9#27 4; U9#28 4; U9#29 4; U9#30 4; U9#31 4; U9#32 4; U10 4; U10#2 4; U10#3 4; U10#4 4; U10#5 4; U10#6 4; U10#7 4; U10#8 4; U10#9 4; U10#10 4; U10#11 4; U10#12 4; U10#13 4; U10#14 4; U10#15 4; U10#16 4; U10#17 4; U10#18 4; U10#19 4; U10#20 4; U10#21 4; U10#22 4; U10#23 4; U10#24 4; U10#25 4; U10#26 4; U10#27 4; U10#28 4; U10#29 4; U10#30 4; U10#31 4; U10#32 4

## Via types
v1: diameter 0.8, hole 0.5, Top to Bottom, 480 vias
v2: diameter 0.6, hole 0.3, Top to Bottom, 3488 vias
v3: diameter 0.8, hole 0.6, Top to Bottom, 32 vias
v4: diameter 1, hole 0.6, Top to Bottom, 768 vias
v5: diameter 0.7, hole 0.4, Top to Bottom, 32 vias
v6: diameter 1.2, hole 0.8, Top to Bottom, 32 vias
